# Altium PCB Cubli.PcbDoc (part 2 of 5)
Units mm, origin at the board's own origin, x right, y up, seen from the top; angles counter-clockwise.
Board outline 75.4 x 45.4 mm, 8 copper layers (Top Layer, GND 1, Signal 1, PWR 1, GND 2, Signal 2, PWR 2, Bottom Layer), stack 1.58 mm thick; 473 components, 286 nets, 1760 pads, 916 vias.
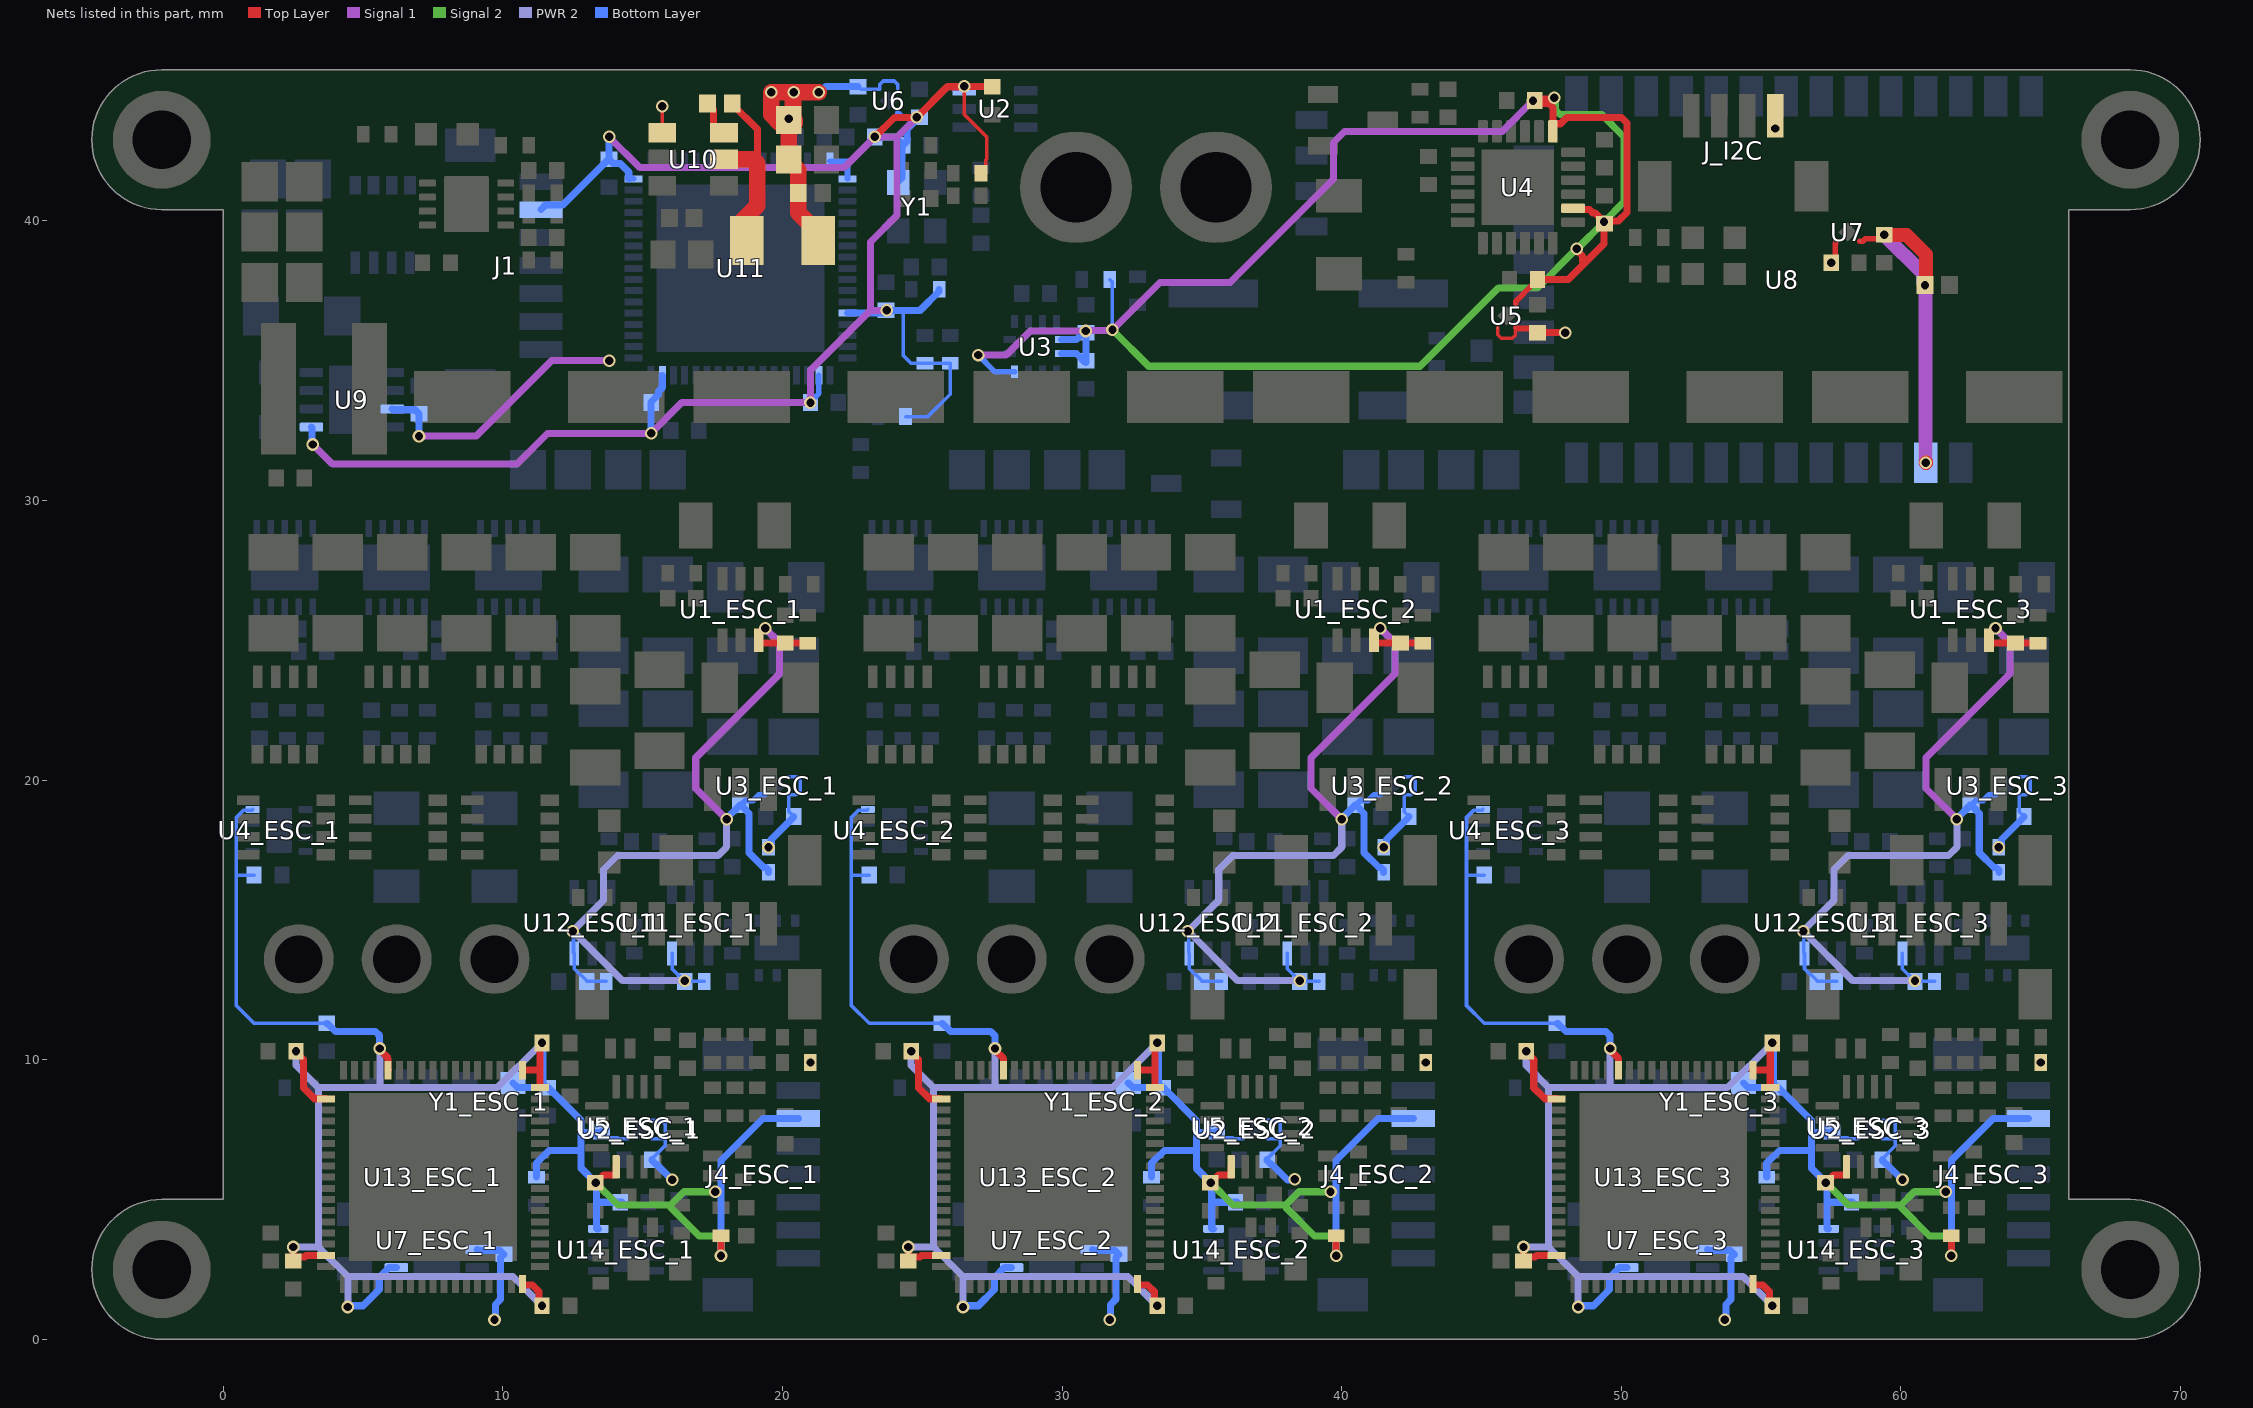
[diagram p8: the nets of this part, all layers, seen from the top]

## Footprints (in the part's own frame and the unit in brackets; to place one, negate y for a bottom-side part, rotate by r counter-clockwise, add the part's x,y. Pads: shape width x height; smd on the part's side, far side on the other; paste and mask are expansions set on the pad) (continued)
"LED 0603_1608 GREEN" [mm] "Chip Diode, 2-Leads, Body 1.60x0.80mm, IPC Medium Density"
  rect 0.8x0.8 smd: 1(-0.75,0) 2(0.75,0)
  silkscreen extent -1.52,-0.7 1.52,0.7, body extent -0.8,-0.4 0.8,0.4, height 0.53
LGA12_ST [mm]
  rect 0.45x0.25 smd: 1(-0.9,0.75) 2(-0.9,0.25) 3(-0.9,-0.25) 4(-0.9,-0.75) 7(0.9,-0.75) 8(0.9,-0.25) 9(0.9,0.25) 10(0.9,0.75)
  rect 0.25x0.45 smd: 5(-0.25,-0.925) 6(0.25,-0.925) 11(0.25,0.925) 12(-0.25,0.925)
  silkscreen extent -1,-1 1,1.25, body extent -1,-1 1,1, height 0.25
MPL-AL5050-5R6 [mm]
  rect 1.25x4.7 smd: 1(-1.625,0) 2(1.625,0)
  silkscreen extent -2.75,-2.8 2.75,2.8, body extent -2.75,-2.65 2.75,2.65, height 4.8
MR30PB-F [mm]
  round 2.5 hole 1.7: 1(-3.5,0) 2(0,0) 3(3.5,0)
  silkscreen extent -5.8,-2.3 5.8,2.3, body extent -6,-2.5 6,2.5, height 8.8
NVTFS015N04CTAG [mm]
  rect 0.66x0.42 smd: 1(-1.47,0.975) 2(-1.47,0.325) 3(-1.47,-0.325) 4(-1.47,-0.975)
  rect 0.8x0.34 smd: 5(1.3,-0.975) 6(1.3,-0.325) 7(1.3,0.325) 8(1.3,0.975)
  Top Layer region: -0.5,-1.185 -0.5,1.185 -0.32,1.185 -0.32,1.73 0.25,1.73 0.25,1.185 1.8,1.185 1.8,0.765 1.33,0.765 1.33,0.535 1.8,0.535 1.8,0.115 1.33,0.115 1.33,-0.115 1.8,-0.115 1.8,-0.535 1.33,-0.535 1.33,-0.765 1.8,-0.765 1.8,-1.185 0.25,-1.185 0.25,-1.73 -0.32,-1.73 -0.32,-1.185
  silkscreen extent -1.58,-1.58 1.58,1.58, body extent -1.7,-1.7 1.7,1.7, height 1.1
"PANASONIC EVQQ2" [mm] "Switch. 4-leads, body 6.5x6mm, Panasonic EVQ-Q2Y03W"
  rect 3.2x1 smd mask+0.1: 1(-3.4,-2) 2(3.4,-2) 3(3.4,2) 4(-3.4,2)
  silkscreen extent -3.25,-3 3.25,3, body extent -3.4,-3 3.4,3, height 3.1
QFN50P300X300X100-16N [mm]
  rrect25% 0.84x0.26 smd: 1(-1.435,0.75) 2(-1.435,0.25) 3(-1.435,-0.25) 4(-1.435,-0.75) 9(1.435,-0.75) 10(1.435,-0.25) 11(1.435,0.25) 12(1.435,0.75)
  rrect25% 0.26x0.84 smd: 5(-0.75,-1.435) 6(-0.25,-1.435) 7(0.25,-1.435) 8(0.75,-1.435) 13(0.75,1.435) 14(0.25,1.435) 15(-0.25,1.435) 16(-0.75,1.435)
  silkscreen extent -2.1,-1.5 1.5,1.5, body extent -1.5,-1.5 1.5,1.5, height 1
"RES 1206_3216" [mm] "Chip Resistor, 2-Leads, Body 3.13x1.55mm, IPC Medium Density"
  rect 1.2x1.65 smd: 1(-1.4,0) 2(1.4,0)
  silkscreen extent -2.3,-1.1 2.3,1.1, body extent -1.6,-0.8 1.6,0.8, height 0.6
RES_0402 [mm]
  rect 0.45x0.6 smd: 1(-0.5,0) 2(0.5,0)
  silkscreen extent -0.1,-0.25 0.1,0.25, body extent -0.5,-0.25 0.5,0.25, height 0.35
"SMF DO-219AB" [mm] "Molded Diode, 2-Leads, Body 3.90x1.90mm, IPC Medium Density"
  rect 1.3x1.4 smd: 1(-1.45,0) 2(1.45,0)
  silkscreen extent -2.4,-1.1 2.59,1.1, body extent -1.5,-0.9 1.5,0.9, height 1.18
SON50P200X200X80-9N [mm]
  rrect25% 0.74x0.28 smd: 1(-0.985,0.75) 2(-0.985,0.25) 3(-0.985,-0.25) 4(-0.985,-0.75) 5(0.985,-0.75) 6(0.985,-0.25) 7(0.985,0.25) 8(0.985,0.75)
  rect 0.9x1.6 smd paste-2: 9(0,0)
  silkscreen extent -2.02,-1.21 1,1.21, body extent -1,-1 1,1, height 0.75
STL220N6F7 [mm] "8-PowerVDFN"
  rect 0.65x1.15 smd: 1(-1.905,-3.48) 2(-0.635,-3.48) 3(0.635,-3.48) 4(1.905,-3.48)
  round 0.025 smd: 5(0,0.232)
  Top Layer region: -2.3,-2.105 -2.3,2.545 -1.575,2.545 -1.575,1.995 -0.95,1.995 -0.95,2.569 -0.31,2.569 -0.31,1.995 0.31,1.995 0.31,2.569 0.95,2.569 0.95,1.995 1.575,1.995 1.575,2.557 2.3,2.557 2.3,-2.105
  silkscreen extent -2.8,-2.87 2.72,1.97, body extent -2.6,-3.78 2.6,2.37, height 1
"TI SC70-6 DCK" [mm] "SC70, 6-Leads, Body 2.00x2.10mm, Pitch 0.65mm, IPC Medium Density"
  rect 0.85x0.35 smd: 1(-1.1,0.65) 2(-1.1,0) 3(-1.1,-0.65) 4(1.1,-0.65) 5(1.1,0) 6(1.1,0.65)
  silkscreen extent -1.12,-0.9 0.3,1.42, body extent -1.06,-1 1.06,1, height 1.1
TJA1044xxK [mm] "8-HVSON (3x3)"
  rrect25% 0.84x0.32 smd: 1(-1.445,0.975) 2(-1.445,0.325) 3(-1.445,-0.325) 4(-1.445,-0.975) 5(1.445,-0.975) 6(1.445,-0.325) 7(1.445,0.325) 8(1.445,0.975)
  rect 1.65x2.45 smd paste-2: 9(0,0)
  silkscreen extent -2.25,-1.5 1.5,1.5, body extent -1.5,-1.5 1.52,1.5, height 1
"TSOT-26-6 - 3.2mm" [mm]
  rect 0.7x1 smd: 1(0.95,1.1) 2(0,1.1) 3(-0.95,1.1) 4(-0.95,-1.1) 5(0,-1.1) 6(0.95,-1.1)
  silkscreen extent 1.55,1.24 1.65,1.35, body extent -1.45,-1.2 1.45,1.2, height 1
UWZ1V101MCL1GS [mm]
  rect 3.45x1.85 smd: 1(-2.75,0) 2(2.75,0)
  silkscreen extent -3.4,-3.5 3.55,3.5, body extent -3.75,-3.4 3.75,3.4, height 8
VSON-10 [mm]
  rrect25% 0.6x0.24 smd mask+0: 1(-1.4,1) 2(-1.4,0.5) 3(-1.4,0) 4(-1.4,-0.5) 5(-1.4,-1) 6(1.4,-1) 7(1.4,-0.5) 8(1.4,0) 9(1.4,0.5) 10(1.4,1)
  rrect5% 1.65x2.4 smd paste-2 mask+0: 11(0,0)
  Top Layer region: 0.375,1.2 0.825,1.2 0.825,-1.2 0.375,-1.2 0.375,-1.7 0.125,-1.7 0.125,-1.2 -0.125,-1.2 -0.125,-1.7 -0.375,-1.7 -0.375,-1.2 -0.825,-1.2 -0.825,1.2 -0.375,1.2 -0.375,1.7 -0.125,1.7 -0.125,1.2 0.125,1.2 0.125,1.7 0.375,1.7
  silkscreen extent -2.04,-1.5 1.5,1.6, body extent -1.5,-1.5 1.5,1.5, height 1
XCVR_XB3-24Z8UM-J [mil]
  rect 57x33 smd: 1(-258,230) 2(-258,180.8) 3(-258,131.6) 4(-258,82.4) 5(-258,33.2) 6(-258,-16) 7(-258,-65.2) 8(-258,-114.4) 9(-258,-163.6) 10(-258,-212.8) 11(-258,-262) 12(-258,-311.2) 21(258,-311.2) 22(258,-262) 23(258,-212.8) 24(258,-163.6) 25(258,-114.4) 26(258,-65.2) 27(258,-16) 28(258,33.2) 29(258,82.4) 30(258,131.6) 31(258,180.8) 32(258,230) 33(258,279.2) 34(258,329)
  rect 33x57 smd: 13(-172.5,-371.5) 14(-123.3,-371.5) 15(-74.1,-371.5) 16(-24.9,-371.5) 17(24.3,-371.5) 18(73.5,-371.5) 19(122.7,-371.5) 20(172.5,-371.5)
  Keep-Out Layer region: 143.5,180 43.5,180 43.5,330 143.5,330
  silkscreen extent -287,-380 266,380, body extent -267,-380 267,380, height 97
XDFN-4 [mil]
  round 1 smd mask+2.56: 1(-16.93,12.79) 2(-16.93,-12.79) 3(16.93,-12.79) 4(16.93,12.79)
  rect 18.9x18.9 smd rot 135 mask+2.56: 5(0,0)
  Top Layer region: 16.93,8.65 9.84,15.75 9.84,16.93 24.02,16.93 24.02,8.65
  Top Layer region: 16.93,-8.65 9.84,-15.75 9.84,-16.93 24.02,-16.93 24.02,-8.65
  Top Layer region: -16.93,-8.65 -9.84,-15.75 -9.84,-16.93 -24.02,-16.93 -24.02,-8.65
  Top Layer region: -16.93,8.65 -9.84,15.75 -9.84,16.93 -24.02,16.93 -24.02,8.65
  silkscreen extent -31,-20 20,20, body extent -20,-20 20,20, height 16
XT30 [mm]
  round 4 hole 2.53: 1(-2.5,0) 2(2.5,0)
  silkscreen extent -5.35,-2.9 5.3,2.9, body extent -5.5,-3.05 5.5,3.05, height 12.9

## Part data
C1 C1_ESC_1 C1_ESC_2 C1_ESC_3 C2 C2_ESC_1 C2_ESC_2 C2_ESC_3 C4 C5 C9 C10 C11 C11_ESC_1 C11_ESC_2 C11_ESC_3 C12 C12_ESC_1 C12_ESC_2 C12_ESC_3 C13 C14 C15 C16 C17 C18 C19 C20 C21 C21_ESC_1 C21_ESC_2 C21_ESC_3 C22 C22_ESC_1 C22_ESC_2 C22_ESC_3 C23 C23_ESC_1 C23_ESC_2 C23_ESC_3 C24 C24_ESC_1 C24_ESC_2 C24_ESC_3 C25_ESC_1 C25_ESC_2 C25_ESC_3 C26_ESC_1 C26_ESC_2 C26_ESC_3 C27_ESC_1 C27_ESC_2 C27_ESC_3 C28_ESC_1 C28_ESC_2 C28_ESC_3 C29_ESC_1 C29_ESC_2 C29_ESC_3 C30_ESC_1 C30_ESC_2 C30_ESC_3 C31_ESC_1 C31_ESC_2 C31_ESC_3 C32_ESC_1 C32_ESC_2 C32_ESC_3 C33_ESC_1 C33_ESC_2 C33_ESC_3 C34_ESC_1 C34_ESC_2 C34_ESC_3 C35_ESC_1 C35_ESC_2 C35_ESC_3 C36_ESC_1 C36_ESC_2 C36_ESC_3 C37_ESC_1 C37_ESC_2 C37_ESC_3 C38 C38_ESC_1 C38_ESC_2 C38_ESC_3 C39 C39_ESC_1 C39_ESC_2 C39_ESC_3 C40 C40_ESC_1 C40_ESC_2 C40_ESC_3 C41 C41_ESC_1 C41_ESC_2 C41_ESC_3 C42 C42_ESC_1 C42_ESC_2 C42_ESC_3 C43 C43_ESC_1 C43_ESC_2 C43_ESC_3 C44 C44_ESC_1 C44_ESC_2 C44_ESC_3 C45 C45_ESC_1 C45_ESC_2 C45_ESC_3 C46 C46_ESC_1 C46_ESC_2 C46_ESC_3 C47_ESC_1 C47_ESC_2 C47_ESC_3 C48_ESC_1 C48_ESC_2 C48_ESC_3 C49_ESC_1 C49_ESC_2 C49_ESC_3 C50_ESC_1 C50_ESC_2 C50_ESC_3 C51_ESC_1 C51_ESC_2 C51_ESC_3 C52 C52_ESC_1 C52_ESC_2 C52_ESC_3 C53 C53_ESC_1 C53_ESC_2 C53_ESC_3 C56: library part CAP_0402, "CAP CER 402"
C3 C6 C7 C8 C47 C48 C49 C50 C51 C54 C55: library part KGM21AS61C226MU, "CAP CER 22UF 16V X6S 0805", Device Package="0805 (2012 Metric)", Manufacturer="KYOCERA AVX", Operating Temperature="-55°C ~ 105°C", Supplier Part Number 1=478-KGM21AS61C226MUCT-ND, Temperature Coefficient=X6S, Tolerance=±20%, Voltage - Rated=16V, Applications="General Purpose", Capacitance="22 µF", ComponentLink1Description=Datasheet, ComponentLink1URL=https://media.digikey.com/pdf/Data%20Sheets/AVX%20PDFs/CM03_CM05_CM105_CM21_CM316_Spec.pdf, ComponentLink2Description="DigiKey Link", ComponentLink2URL=https://www.digikey.com/en/products/detail/kyocera-avx/KGM21AS61C226MU/17827473, LastUpdated="2/9/2024 8:14:12 PM", Lifecycle Status=Active, Minimum Order=1, Mounting Type="Surface Mount, MLCC", Package / Case="0805 (2012 Metric)", Packaging=TapeAndReel, Part Number=KGM21AS61C226MU, Part Status=Active, PartId=52516, Price=0.12, Series="KGM - X6S", Size / Dimension="0.079\" L x 0.049\" W (2.01mm x 1.25mm)", Supplier 1=DigiKey, Thickness (Max)="0.057\" (1.45mm)"
C3_ESC_1 C3_ESC_2 C3_ESC_3 C4_ESC_1 C4_ESC_2 C4_ESC_3 C5_ESC_1 C5_ESC_2 C5_ESC_3 C6_ESC_1 C6_ESC_2 C6_ESC_3 C7_ESC_1 C7_ESC_2 C7_ESC_3 C8_ESC_1 C8_ESC_2 C8_ESC_3 C9_ESC_1 C9_ESC_2 C9_ESC_3 C10_ESC_1 C10_ESC_2 C10_ESC_3 C13_ESC_1 C13_ESC_2 C13_ESC_3 C14_ESC_1 C14_ESC_2 C14_ESC_3 C15_ESC_1 C15_ESC_2 C15_ESC_3 C16_ESC_1 C16_ESC_2 C16_ESC_3 C17_ESC_1 C17_ESC_2 C17_ESC_3 C18_ESC_1 C18_ESC_2 C18_ESC_3 C19_ESC_1 C19_ESC_2 C19_ESC_3 C20_ESC_1 C20_ESC_2 C20_ESC_3: library part CL31X106KAHNNNE, "CAP CER 10UF 25V X6S 1206", Device Package="1206 (3216 Metric)", Manufacturer="Samsung Electro-Mechanics", Operating Temperature="-55°C ~ 105°C", Supplier Part Number 1=1276-3298-1-ND, Temperature Coefficient=X6S, Tolerance=±10%, Voltage - Rated=25V, Applications="General Purpose", Capacitance="10 µF", ComponentLink1Description=Datasheet, ComponentLink1URL=http://www.samsungsem.com/kr/support/product-search/mlcc/CL31X106KAHNNNE.jsp, ComponentLink2Description="DigiKey Link", ComponentLink2URL=https://www.digikey.com/en/products/detail/samsung-electro-mechanics/CL31X106KAHNNNE/3888956, LastUpdated="6/4/2024 7:10:40 PM", Lifecycle Status=Active, Minimum Order=1, Mounting Type="Surface Mount, MLCC", Package / Case="1206 (3216 Metric)", Packaging=TapeAndReel, Part Number=CL31X106KAHNNNE, Part Status=Active, PartId=20108, Price=0.05, Series=CL, Size / Dimension="0.126\" L x 0.063\" W (3.20mm x 1.60mm)", Supplier 1=DigiKey, Thickness (Max)="0.071\" (1.80mm)"
C25 C26 C27: library part C0402C104K4RACAUTO, "CAP CER 0.1UF 16V X7R 0402", Capacitance="0.1 µF", Device Package="0402 (1005 Metric)", Manufacturer=KEMET, Operating Temperature="-55°C ~ 125°C", Ratings=AEC-Q200, Supplier Part Number 1=399-6828-1-ND, Temperature Coefficient=X7R, Tolerance=±10%, Voltage - Rated=16V, Applications="Automotive, Bypass, Decoupling", ComponentLink1Description=Datasheet, ComponentLink1URL=https://api.kemet.com/component-edge/download/specsheet/C0402C104K4RACAUTO.pdf, ComponentLink2Description="DigiKey Link", ComponentLink2URL=https://www.digikey.com/en/products/detail/kemet/C0402C104K4RACAUTO/3314827, Lifecycle Status=Active, Minimum Order=1, Mounting Type="Surface Mount, MLCC", Package / Case="0402 (1005 Metric)", Packaging=TapeAndReel, Part Number=C0402C104K4RACAUTO, Part Status=Active, PartId=3024, Price=0.01, Series="SMD Auto X7R", Size / Dimension="0.039\" L x 0.020\" W (1.00mm x 0.50mm)", Supplier 1=DigiKey, Thickness (Max)="0.022\" (0.55mm)"
  C25: LastUpdated="8/14/2022 9:05:51 PM"
  C26 C27: LastUpdated="2/9/2024 8:04:35 PM"
C28 C29 C30: library part C0603B476M007T, "CAP CER 47UF 6.3V X5R 0603", Capacitance="47 µF", Device Package="0603 (1608 Metric)", Manufacturer="Holy Stone Enterprise Co., Ltd.", Operating Temperature="-55°C ~ 85°C", Supplier Part Number 1=4587-C0603B476M007TCT-ND, Temperature Coefficient=X5R, Tolerance=±20%, Voltage - Rated=6.3V, Applications="SMPS Filtering", ComponentLink1Description=Datasheet, ComponentLink1URL=https://media.digikey.com/pdf/Data%20Sheets/Holy%20Stone/HCC_Series_DS.pdf, ComponentLink2Description="DigiKey Link", ComponentLink2URL=https://www.digikey.com/en/products/detail/holy-stone-enterprise-co-ltd/C0603B476M007T/16895203, LastUpdated="2/9/2024 8:09:41 PM", Lifecycle Status=Active, Minimum Order=1, Mounting Type="Surface Mount, MLCC", Package / Case="0603 (1608 Metric)", Packaging=TapeAndReel, Part Number=C0603B476M007T, Part Status=Active, PartId=48531, Price=0.12, Series=HCC, Size / Dimension="0.063\" L x 0.031\" W (1.60mm x 0.80mm)", Supplier 1=DigiKey, Thickness (Max)="0.039\" (1.00mm)"
C31: library part C0402C104K4RACAUTO, "CAP CER 0.1UF 16V X7R 0402", Device Package="0402 (1005 Metric)", Manufacturer=KEMET, Operating Temperature="-55°C ~ 125°C", Ratings=AEC-Q200, Supplier Part Number 1=399-6828-1-ND, Temperature Coefficient=X7R, Tolerance=±10%, Voltage - Rated=16V, Applications="Automotive, Bypass, Decoupling", Capacitance="0.1 µF", ComponentLink1Description=Datasheet, ComponentLink1URL=https://api.kemet.com/component-edge/download/specsheet/C0402C104K4RACAUTO.pdf, ComponentLink2Description="DigiKey Link", ComponentLink2URL=https://www.digikey.com/en/products/detail/kemet/C0402C104K4RACAUTO/3314827, LastUpdated="2/9/2024 8:04:35 PM", Lifecycle Status=Active, Minimum Order=1, Mounting Type="Surface Mount, MLCC", Package / Case="0402 (1005 Metric)", Packaging=TapeAndReel, Part Number=C0402C104K4RACAUTO, Part Status=Active, PartId=3024, Price=0.01, Series="SMD Auto X7R", Size / Dimension="0.039\" L x 0.020\" W (1.00mm x 0.50mm)", Supplier 1=DigiKey, Thickness (Max)="0.022\" (0.55mm)"
C32 C33 C34 C35 C36 C37: library part CMP-001-00099-2, "Aluminum Electrolytic Capacitor, Polarized, Aluminum (wet), 35V, 20% +Tol, 20% -Tol, 100uF, Surface Mount, 2626", Capacitor Type=Aluminium, Case/Package="6.60mm x 6.60mm", Max Operating Temperature=105°C, Min Operating Temperature=-55°C, Ripple Current=84mA, Voltage Rating=35V, AECQ=Yes, Mounting Technology="Surface Mount", Pins=2, RoHS Compliant=Yes
D1: "DIODE GEN PURP 400V 1A DO219AB", Capacitance @ Vr, F="7.5pF @ 4V, 1MHz", Current - Average Rectified (Io)=1A, Current - Reverse Leakage @ Vr="5µA @ 400V", Manufacturer="Vishay Semiconductor Diodes Division", Operating Temperature - Junction="-55°C ~ 175°C", Package / Case=DO-219AB, Supplier Device Package="DO-219AB (SMF)", Supplier Part Number 1=SE10FGHM3/HGICT-ND, Voltage - DC Reverse (Vr) (Max)=400V, Voltage - Forward (Vf) (Max) @ If="1.05V @ 1A", ComponentLink1Description=Datasheet, ComponentLink1URL=http://www.vishay.com/docs/87722/se10fd-se10fg-se10fj.pdf, ComponentLink2Description="DigiKey Link", ComponentLink2URL=http://digikey.com/product-detail/en/vishay-semiconductor-diodes-division/SE10FGHM3-H/SE10FGHM3-HGICT-ND/8565217, Diode Type=Standard, LastUpdated="6/3/2024 8:05:29 PM", Lifecycle Status=Active, Minimum Order=1, Mounting Type="Surface Mount", Packaging=TapeAndReel, Part Number=SE10FGHM3/H, Part Status=Active, PartId=1227, Price=0.10, Reverse Recovery Time (trr)=780ns, Series="Automotive, AEC-Q101", Speed="Standard Recovery >500ns, > 200mA (Io)", Supplier 1=DigiKey
D1_ESC_1 D1_ESC_2 D1_ESC_3 D2_ESC_1 D2_ESC_2 D2_ESC_3 D3_ESC_1 D3_ESC_2 D3_ESC_3 D4_ESC_1 D4_ESC_2 D4_ESC_3: "TVS DIODE 3.3V 14.2PF DFN1006", Capacitance @ Frequency="11.5pF @ 1MHz", Current - Peak Pulse (10/1000µs)="8A (8/20µs)", Device Package="0402 (1005 Metric)", Manufacturer="INPAQ Technology Co., Ltd", Operating Temperature="150°C (TJ)", Power Line Protection=No, Supplier Device Package=DFN1006, Supplier Part Number 1=3526-TVN3V3B1S-DFN1006-2LDGCT-ND, Voltage - Breakdown (Min)=4V, Voltage - Clamping (Max) @ Ipp="6.6V (Typ)", Voltage - Reverse Standoff (Typ)="3.3V (Max)", Applications="General Purpose", Bidirectional Channels=1, ComponentLink1Description=Datasheet, ComponentLink1URL=https://mm.digikey.com/Volume0/opasdata/d220001/medias/docus/5383/TVN3V3B1S-DFN1006-2LDG.pdf, ComponentLink2Description="DigiKey Link", ComponentLink2URL=https://www.digikey.com/en/products/detail/inpaq-technology-co-ltd/TVN3V3B1S-DFN1006-2LDG/20486686, LastUpdated="6/3/2024 8:22:57 PM", Lifecycle Status=Active, Minimum Order=1, Mounting Type="Surface Mount", Package / Case="0402 (1005 Metric)", Packaging=TapeAndReel, Part Number=TVN3V3B1S-DFN1006-2LDG, PartId=11821, Price=0.02, Series=TVN, Supplier 1=DigiKey, Type=Zener
D2 D3 D4 D5 D5_ESC_1 D5_ESC_2 D5_ESC_3 D6_ESC_1 D6_ESC_2 D6_ESC_3: library part XZCDGK53W-8VF, "LED GREEN CLEAR 2SMD", Current - Test=2mA, Device Package="0603 (1608 Metric)", Lens Color=Colorless, Manufacturer=SunLED, Millicandela Rating=417mcd, Supplier Device Package=2-SMD, Supplier Part Number 1=1497-XZCDGK53W-8VFCT-ND, Voltage - Forward (Vf) (Typ)=2.65V, Color=Green, ComponentLink1Description=Datasheet, ComponentLink1URL=https://www.sunledusa.com/products/spec/XZCDGK53W-8VF.pdf, ComponentLink2Description="DigiKey Link", ComponentLink2URL=https://www.digikey.com/en/products/detail/sunled/XZCDGK53W-8VF/10449775, Configuration=Independent, Height (Max)=1.10mm, LastUpdated="6/3/2024 7:58:52 PM", Lens Size="0.35mm Dia", Lens Style="Round with Domed Top", Lens Transparency=Clear, Lifecycle Status=Active, Minimum Order=1, Mounting Type="Surface Mount", Package / Case="0603 (1608 Metric)", Packaging=TapeAndReel, Part Number=XZCDGK53W-8VF, Part Status=Active, PartId=938, Price=0.15, Series="Ultra Low Current", Size / Dimension="1.60mm L x 0.80mm W", Supplier 1=DigiKey, Viewing Angle=60°, Wavelength - Dominant=525nm, Wavelength - Peak=515nm
J1 J4_ESC_1 J4_ESC_2 J4_ESC_3: "CONN HEADER SMD 7POS 1MM", Current Rating (Amps)=0.7A, Insulation Color=Natural, Manufacturer="JST Sales America Inc.", Material Flammability Rating="UL94 V-0", Operating Temperature="-25°C ~ 85°C", Supplier Part Number 1=455-1793-1-ND, Voltage Rating=50V, ComponentLink1Description=Datasheet, ComponentLink1URL=http://www.jst-mfg.com/product/pdf/eng/eSH.pdf, ComponentLink2Description="DigiKey Link", ComponentLink2URL=http://digikey.com/product-detail/en/jst-sales-america-inc/BM07B-SRSS-TB-LF-SN/455-1793-1-ND/926864, Connector Type=Header, Contact Finish - Mating=Tin, Contact Finish - Post=Tin, Contact Material="Copper Alloy", Contact Shape=Square, Contact Type="Male Pin", Fastening Type=Push-Pull, Features="Solder Retention", Insulation Height="0.167\" (4.25mm)", Insulation Material="Polyamide (PA), Nylon", LastUpdated="1/12/2020 10:15:04 PM", Lifecycle Status=Active, Minimum Order=1, Mounting Type="Surface Mount", Number of Positions=7, Number of Positions Loaded=All, Number of Rows=1, Packaging=TapeAndReel, Part Number=BM07B-SRSS-TB(LF)(SN), Part Status=Active, PartId=22, Pitch - Mating="0.039\" (1.00mm)", Price=0.42, Series=SR, Shrouding="Shrouded - 4 Wall", Style="Board to Cable/Wire", Supplier 1=DigiKey, Termination=Solder
J1_ESC_1 J1_ESC_2 J1_ESC_3: library part CMP-002-00125-1, "Vertical 3 pin barrel connector", Manufacturer=Amass, Max Current Rating=30A, Gender=Female, Pins=3
J2_ESC_1 J2_ESC_2 J2_ESC_3: "CONN HEADER SMD 6POS 1MM", Current Rating (Amps)=0.7A, Insulation Color=Natural, Manufacturer="JST Sales America Inc.", Material Flammability Rating="UL94 V-0", Operating Temperature="-25°C ~ 85°C", Supplier Part Number 1=455-1792-1-ND, Voltage Rating=50V, ComponentLink1Description=Datasheet, ComponentLink1URL=http://www.jst-mfg.com/product/pdf/eng/eSH.pdf, ComponentLink2Description="DigiKey Link", ComponentLink2URL=http://digikey.com/product-detail/en/jst-sales-america-inc/BM06B-SRSS-TB-LF-SN/455-1792-1-ND/926863, Connector Type=Header, Contact Finish - Mating=Tin, Contact Finish - Post=Tin, Contact Material="Copper Alloy", Contact Shape=Square, Contact Type="Male Pin", Fastening Type=Push-Pull, Features="Solder Retention", Insulation Height="0.167\" (4.25mm)", Insulation Material="Polyamide (PA), Nylon", LastUpdated="1/12/2020 10:14:30 PM", Lifecycle Status=Active, Minimum Order=1, Mounting Type="Surface Mount", Number of Positions=6, Number of Positions Loaded=All, Number of Rows=1, Packaging=TapeAndReel, Part Number=BM06B-SRSS-TB(LF)(SN), Part Status=Active, PartId=20, Pitch - Mating="0.039\" (1.00mm)", Price=0.38, Series=SR, Shrouding="Shrouded - 4 Wall", Style="Board to Cable/Wire", Supplier 1=DigiKey, Termination=Solder
J3_ESC_1 J3_ESC_2 J3_ESC_3: "CONN HEADER SMD 3POS 1MM", Current Rating (Amps)=0.7A, Insulation Color=Natural, Manufacturer="JST Sales America Inc.", Material Flammability Rating="UL94 V-0", Operating Temperature="-25°C ~ 85°C", Supplier Part Number 1=455-1789-1-ND, Voltage Rating=50V, ComponentLink1Description=Datasheet, ComponentLink1URL=http://www.jst-mfg.com/product/pdf/eng/eSR.pdf, ComponentLink2Description="DigiKey Link", ComponentLink2URL=http://digikey.com/product-detail/en/jst-sales-america-inc/BM03B-SRSS-TB-LF-SN/455-1789-1-ND/926860, Connector Type=Header, Contact Finish - Mating=Tin, Contact Finish - Post=Tin, Contact Material="Copper Alloy", Contact Shape=Square, Contact Type="Male Pin", Fastening Type=Push-Pull, Features="Solder Retention", Insulation Height="0.167\" (4.25mm)", Insulation Material="Polyamide (PA), Nylon", LastUpdated="1/12/2020 10:12:14 PM", Lifecycle Status=Active, Minimum Order=1, Mounting Type="Surface Mount", Number of Positions=3, Number of Positions Loaded=All, Number of Rows=1, Packaging=TapeAndReel, Part Number=BM03B-SRSS-TB(LF)(SN), Part Status=Active, PartId=14, Pitch - Mating="0.039\" (1.00mm)", Price=0.24, Series=SR, Shrouding="Shrouded - 4 Wall", Style="Board to Cable/Wire", Supplier 1=DigiKey, Termination=Solder
J_I2C: "CONN HEADER SMD 4POS 1MM", Current Rating (Amps)=0.7A, Insulation Color=Natural, Manufacturer="JST Sales America Inc.", Material Flammability Rating="UL94 V-0", Operating Temperature="-25°C ~ 85°C", Supplier Part Number 1=455-1790-1-ND, Voltage Rating=50V, ComponentLink1Description=Datasheet, ComponentLink1URL=http://www.jst-mfg.com/product/pdf/eng/eSH.pdf, ComponentLink2Description="DigiKey Link", ComponentLink2URL=http://digikey.com/product-detail/en/jst-sales-america-inc/BM04B-SRSS-TB-LF-SN/455-1790-1-ND/926861, Connector Type=Header, Contact Finish - Mating=Tin, Contact Finish - Post=Tin, Contact Material="Copper Alloy", Contact Shape=Square, Contact Type="Male Pin", Fastening Type=Push-Pull, Features="Solder Retention", Insulation Height="0.167\" (4.25mm)", Insulation Material="Polyamide (PA), Nylon", LastUpdated="8/24/2020 1:45:53 PM", Lifecycle Status=Active, Minimum Order=1, Mounting Type="Surface Mount", Number of Positions=4, Number of Positions Loaded=All, Number of Rows=1, Packaging=TapeAndReel, Part Number=BM04B-SRSS-TB(LF)(SN), Part Status=Active, PartId=16, Pitch - Mating="0.039\" (1.00mm)", Price=0.29, Row Spacing - Mating="-25°C ~ 85°C", Series=SR, Shrouding="Shrouded - 4 Wall", Style="Board to Cable/Wire", Supplier 1=DigiKey, Termination=Solder
L1: "FIXED IND 5.6UH 6.8A 20 MOHM SMD", Package="Molded-2 Laird", Availability="In Stock", Check_prices=https://www.snapeda.com/parts/MGV05021R0M-10/Laird/view-part/5881352/?ref=eda, MF="Laird-Signal Integrity Products", MP=MGV05021R0M-10, Price=None, Purchase-URL=https://pricing.snapeda.com/search/part/MGV05021R0M-10/?ref=eda, SnapEDA_Link=https://www.snapeda.com/parts/MGV05021R0M-10/Laird/view-part/5881352/?ref=snap